# Allegro board Learn.brd (continued)
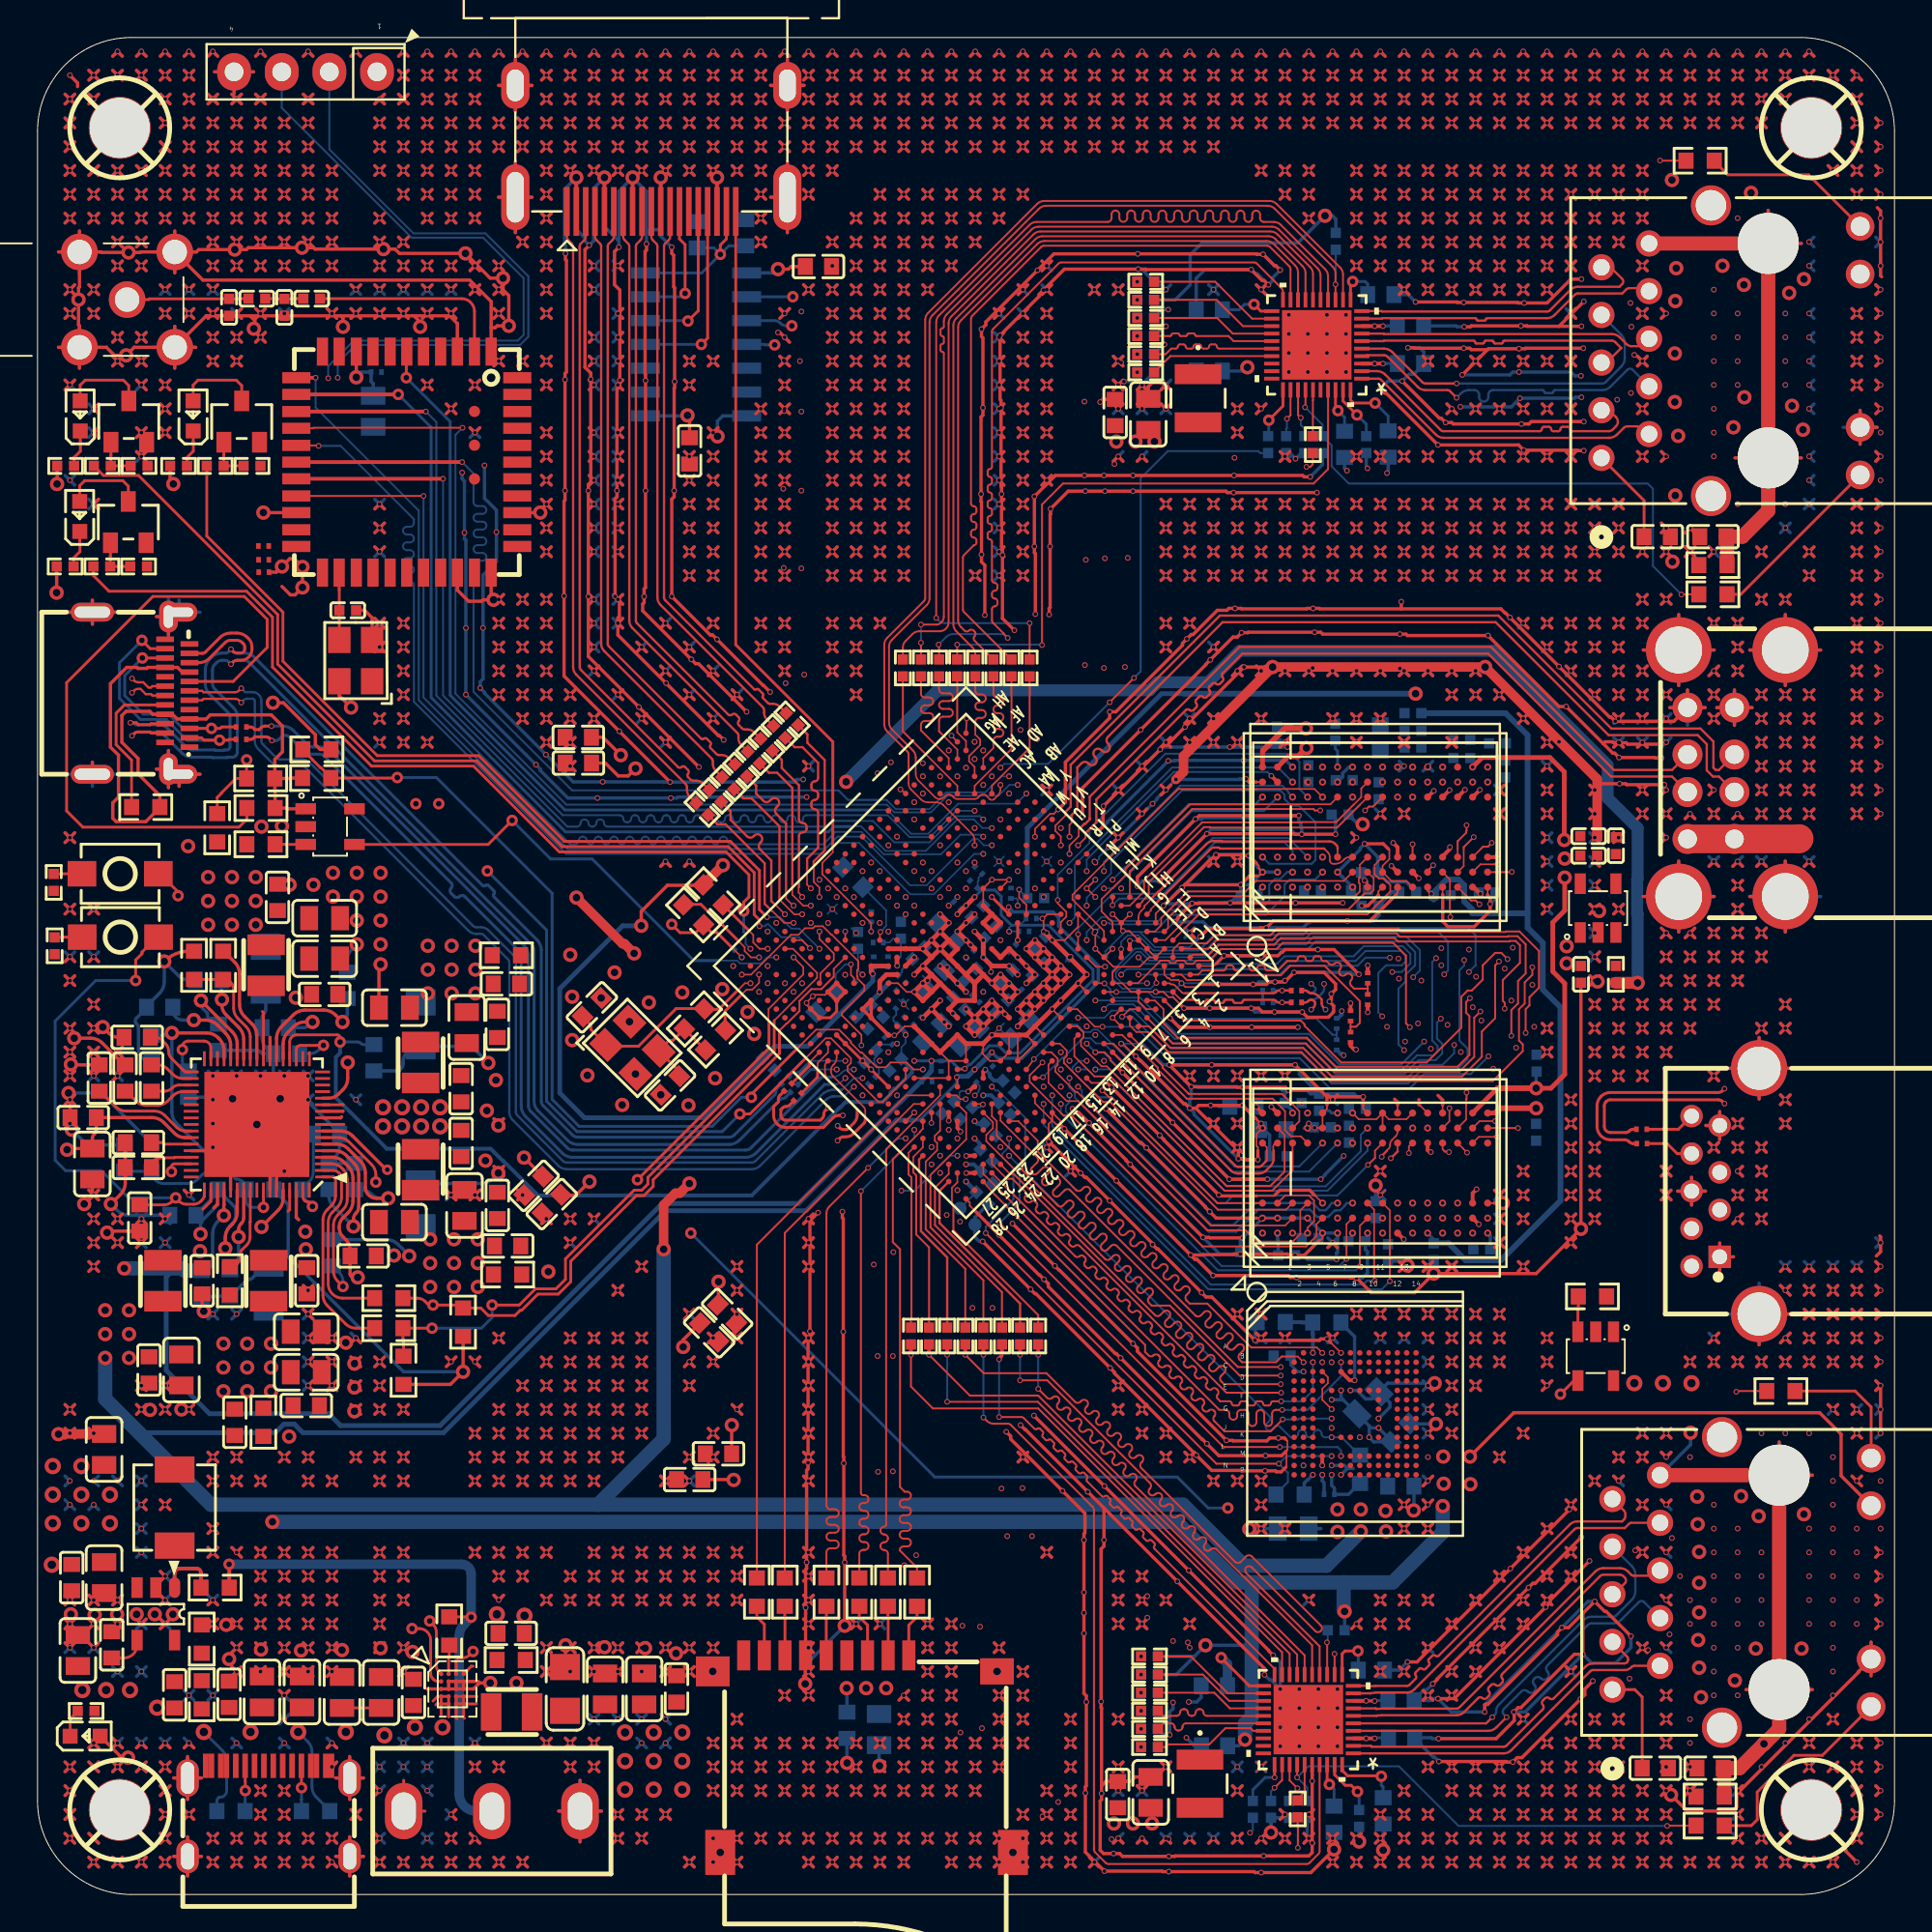
[diagram p0: board, top side]
## Nets (continued)
VCC_3V3: C55.1 C168.2 C169.2 C171.1 C174.1 C178.1 C186.1 C187.1 C191.1 C203.1 C207.1 C213.1 C215.1 C221.1 C222.1 C231.1 R74.2 R76.2 R80.2 R104.2 R110.2 U4.55 U5.J21 U5.L22 U5.M23 U5.P10 U5.V10 U5.V11 U5.V12 U9.E6 U9.F5 U9.J10 U9.K9 U11.28 U11.29 U12.13 U13.28 U13.29 U14.13 U15.9 U16.1 U16.8 Y2.4(VDD)
VCC_3V3_SYS: C6.2 C7.2 C8.2 C9.1 C19.2 C22.1 C23.2 C26.1 C39.2 C40.1 C41.2 C54.1 C58.1 C60.2 C61.2 C116.1 J2.1 L1.2 R5.2 R22.1 R137.1 R138.1 R143.1 U4.4 U4.10 U4.11 U4.22 U4.24 U4.30 U4.45 U4.54 U4.57 U4.66 U8.1
VCC_CPU: C13.1 C14.1 C15.1 C16.1 C17.1 C71.1 C72.1 C73.1 C74.1 C75.1 L2.2 R7.1 U5.J15 U5.K15 U5.K16 U5.K17 U5.K18 U5.L15 U5.L16 U5.L17 U5.L18 U5.M17
VCC_DDR4: C49.1 C50.1 C51.1 C52.1 C92.1 C93.1 C94.1 C95.1 C96.1 C97.1 C101.1 C102.1 C103.1 C104.1 C105.1 C106.1 C107.1 C108.1 C109.1 C110.1 C111.1 C112.1 C113.1 C114.1 C115.1 C124.1 C125.1 C126.1 C127.1 C128.1 C129.1 C130.1 C131.1 C132.1 C133.1 C134.1 C135.1 C136.1 C137.1 C138.1 L6.2 R16.1 U4.26 U5.H9 U5.H11 U5.H12 U5.H14 U5.H15 U5.J9 U5.J11 U5.J12 U5.J14 U5.K10 U5.L9 U5.L10 U5.M9 U5.M10 U6.A1 U6.A9 U6.B3 U6.B9 U6.C1 U6.D1 U6.D9 U6.F2 U6.F8 U6.G1 U6.G7 U6.G9 U6.J1 U6.J2 U6.J8 U6.J9 U6.L1 U6.L9 U6.R1 U6.T9 U7.A1 U7.A9 U7.B3 U7.B9 U7.C1 U7.D1 U7.D9 U7.F2 U7.F8 U7.G1 U7.G7 U7.G9 U7.J1 U7.J2 U7.J8 U7.J9 U7.L1 U7.L9 U7.R1 U7.T9
VCC_GPU: C43.1 C45.1 C46.1 C47.1 C48.1 C48.2 C83.1 C84.1 C85.1 C86.1 C87.1 L5.1 R15.1 R15.2 U4.8 U5.R13 U5.T13 U5.U11 U5.U12 U5.U13
VCC_LOGIC: C21.1 C27.1 C28.1 C29.1 C30.1 C30.2 C76.1 C77.1 C78.1 C79.1 C80.1 C81.1 C82.1 L3.1 R11.1 R11.2 U4.13 U5.L12 U5.M12 U5.N13 U5.N16 U5.P13 U5.P16 U5.R12 U5.R16 U5.T12 U5.T16
VCC_NPU: C31.1 C31.2 C32.1 C33.1 C34.1 C35.1 C88.1 C89.1 C90.1 C91.1 L4.2 R12.1 R12.2 U4.64 U5.M19 U5.N19 U5.P18 U5.P19 U5.P20
VCC_USB_HOST: U19.1 U19.5(VCC2) U20.1(VOUT) U21.1(VBUS)
VCC_USB_OTG: R129.2 R130.2 R133.2 R135.2 U17.A4 U17.A9 U17.B4 U17.B9(VBUS4) U18.1(VOUT)
VCCA_1V8: C38.1 C151.1 C152.1 C219.1 C220.1 U4.3 U5.N10 U5.P9 U5.P23
VCCIO_ACODEC: C25.1 U4.28
VCCIO_SD: C36.1 U4.29
VDD_CPU_COM: C17.2 R7.2 U3.A4 U5.M15
VIN_5V: C1.2 C2.2 C3.2 C4.1 C5.1 C10.1 C11.1 C12.1 C62.1 C214.1 C216.1 J1.18 R1.2 R2.2 R3.1 SW1.1 U1.A4 U1.A9 U1.B4 U1.B9(VBUS4) U2.4 U3.D1 U3.D2 U3.E1 U3.E2 U4.33(VCC_SPK_HP) U16.14(VCCB) U18.5 U20.5
DDR4_A0: U5.B6 U6.P3 U7.P3
DDR4_A1: U5.F5 U6.P7 U7.P7
DDR4_A2: U5.B1 U6.R3 U7.R3
DDR4_A3: U5.F4 U6.N7 U7.N7
DDR4_A4: U5.D9 U6.N3 U7.N3
DDR4_A5: U5.B7 U6.P8 U7.P8
DDR4_A6: U5.A7 U6.P2 U7.P2
DDR4_A7: U5.A8 U6.R8 U7.R8
DDR4_A8: U5.C1 U6.R2 U7.R2
DDR4_A9: U5.A5 U6.R7 U7.R7
DDR4_A10: U5.D6 U6.M3 U7.M3
DDR4_A11: U5.C2 U6.T2 U7.T2
DDR4_A12: U5.C4 U6.M7 U7.M7
DDR4_A13: U5.B8 U6.T8 U7.T8
DDR4_A14_WEN: U5.C5 U6.L2 U7.L2
DDR4_A15_CASN: U5.E4 U6.M8 U7.M8
DDR4_A16_RASN: U5.D5 U6.L8 U7.L8
DDR4_ACTN: U5.E6 U6.L3 U7.L3
DDR4_BA0: U5.E11 U6.N2 U7.N2
DDR4_BA1: U5.E9 U6.N8 U7.N8
DDR4_BG0: U5.F8 U6.M2 U7.M2
DDR4_CKE: R33.2 R34.1 U5.B3
DDR4_CKE_A: R33.1 U6.K2
DDR4_CKE_B: R34.2 U7.K2
DDR4_CLKN: R28.1 R31.2 R32.1 U5.A4
DDR4_CLKN_A: R31.1 U6.K8
DDR4_CLKN_B: R32.2 U7.K8
DDR4_CLKP: R27.1 R29.2 R30.1 U5.B4
DDR4_CLKP_A: R29.1 U6.K7
DDR4_CLKP_B: R30.2 U7.K7
DDR4_CS0N: R35.2 R36.1 U5.A2
DDR4_CS0N_A: R35.1 U6.L7
DDR4_CS0N_B: R36.2 U7.L7
DDR4_DML_A: U5.H5 U6.E7
DDR4_DML_B: U5.E17 U7.E7
DDR4_DMU_A: U5.J4 U6.E2
DDR4_DMU_B: U5.D14 U7.E2
DDR4_DQL0_A: U5.F2 U6.G2
DDR4_DQL0_B: U5.A16 U7.G2
DDR4_DQL1_A: U5.H4 U6.F7
DDR4_DQL1_B: U5.D17 U7.F7
DDR4_DQL2_A: U5.E1 U6.H3
DDR4_DQL2_B: U5.B17 U7.H3
DDR4_DQL3_A: U5.H1 U6.H7
DDR4_DQL3_B: U5.B14 U7.H7
DDR4_DQL4_A: U5.E2 U6.H2
DDR4_DQL4_B: U5.A17 U7.H2
DDR4_DQL5_A: U5.J2 U6.H8
DDR4_DQL5_B: U5.A13 U7.H8
DDR4_DQL6_A: U5.D1 U6.J3
DDR4_DQL6_B: U5.B18 U7.J3
DDR4_DQL7_A: U5.J1 U6.J7
DDR4_DQL7_B: U5.B13 U7.J7
DDR4_DQSL_N_A: U5.G2 U6.F3
DDR4_DQSL_N_B: U5.A15 U7.F3
DDR4_DQSL_P_A: U5.G1 U6.G3
DDR4_DQSL_P_B: U5.B15 U7.G3
DDR4_DQSU_N_A: U5.L1 U6.A7
DDR4_DQSU_N_B: U5.B11 U7.A7
DDR4_DQSU_P_A: U5.L2 U6.B7
DDR4_DQSU_P_B: U5.A11 U7.B7
DDR4_DQU0_A: U5.L4 U6.A3
DDR4_DQU0_B: U5.A12 U7.A3
DDR4_DQU1_A: U5.N2 U6.B8
DDR4_DQU1_B: U5.E12 U7.B8
DDR4_DQU2_A: U5.K2 U6.C3
DDR4_DQU2_B: U5.E14 U7.C3
DDR4_DQU3_A: U5.M1 U6.C7
DDR4_DQU3_B: U5.D12 U7.C7
DDR4_DQU4_A: U5.J6 U6.C2
DDR4_DQU4_B: U5.E15 U7.C2
DDR4_DQU5_A: U5.L6 U6.C8
DDR4_DQU5_B: U5.A9 U7.C8
DDR4_DQU6_A: U5.J7 U6.D3
DDR4_DQU6_B: U5.D15 U7.D3
DDR4_DQU7_A: U5.L7 U6.D7
DDR4_DQU7_B: U5.B10 U7.D7
DDR4_ODT0: R37.2 R38.1 U5.E8
DDR4_ODT0_A: R37.1 U6.K3
DDR4_ODT0_B: R38.2 U7.K3
DDR4_RESETN: U5.F11 U6.P1 U7.P1
DDRPHY_VREFOUT: C97.2 C98.1 R41.2 U5.P8
EMMC_CLK: U5.A23 U9.M6
EMMC_CMD: R52.2 U5.B22 U9.M5
EMMC_D0: R50.2 R51.2 U5.A24 U9.A3
EMMC_D1: U5.C21 U9.A4
EMMC_D2: U5.B24 U9.A5
EMMC_D3: U5.D21 U9.B2
EMMC_D4: U5.A25 U9.B3
EMMC_D5: U5.E21 U9.B4
EMMC_D6: U5.E22 U9.B5
EMMC_D7: U5.B25 U9.B6
EMMC_DS: U5.A26 U9.H5
EMMC_RES: R53.2 U5.F20 U9.K5
ETH0_LED0: R81.1 U11.32
ETH0_LED1: R82.1 R89.1 U11.33
ETH0_LED2: R83.1 R88.1 U11.34
ETH0_MCLKIN125M: R84.2 U5.F25
ETH0_MCLKIN125M_SOC: R84.1 U11.35
ETH0_MDI0+: U11.1 U12.P2
ETH0_MDI0-: U11.2 U12.P3
ETH0_MDI1+: U11.4 U12.P4
ETH0_MDI1-: U11.5 U12.P7
ETH0_MDI2+: U11.6 U12.P5
ETH0_MDI2-: U11.7 U12.P6
ETH0_MDI3+: U11.9 U12.P8
ETH0_MDI3-: U11.10 U12.P9
ETH0_REFCLKO25M: R66.1 U11.37(XTAL_OUT/EXT_CLK)
ETH0_REFCLKO25M_SOC: R66.2 U5.G23
ETH0_VCC_1V: C175.1 C176.1 C177.1 C179.1 C180.1 C181.1 C182.1 C183.1 L8.2 U11.3 U11.8 U11.11 U11.21 U11.38 U11.40
ETH1_LED0: R111.1 U13.32
ETH1_LED1: R112.1 R119.1 U13.33
ETH1_LED2: R113.1 R117.1 U13.34
ETH1_MCLKIN125M: R114.2 U5.AD2
ETH1_MCLKIN125M_SOC: R114.1 U13.35
ETH1_MDI0+: U13.1 U14.P2
ETH1_MDI0-: U13.2 U14.P3
ETH1_MDI1+: U13.4 U14.P4
ETH1_MDI1-: U13.5 U14.P7
ETH1_MDI2+: U13.6 U14.P5
ETH1_MDI2-: U13.7 U14.P6
ETH1_MDI3+: U13.9 U14.P8
ETH1_MDI3-: U13.10 U14.P9
ETH1_REFCLKO25M: R93.1 U13.37(XTAL_OUT/EXT_CLK)
ETH1_REFCLKO25M_SOC: R93.2 U5.AG2
ETH1_VCC_1V: C188.1 C189.1 C190.1 C192.1 C193.1 C194.1 C195.1 C196.1 L9.2 U13.3 U13.8 U13.11 U13.21 U13.38 U13.40
GMAC0_INT/PMEB: R86.2 U5.D26
GMAC0_MDC: R67.1 U11.14
GMAC0_MDIO: R80.1 U5.H23 U11.13
GMAC0_RSTN: U5.E25 U11.12
GMAC0_RXCLK: R68.2 R69.1 U5.B28
GMAC0_RXD0: R70.1 R71.2 U5.F27
GMAC0_RXD1: R72.1 R73.2 U5.H25
GMAC0_RXD2: R74.1 R75.2 U5.E27
GMAC0_RXD3: R76.1 R77.2 U5.E28
GMAC0_RXDV: R78.1 R79.2 U5.F24
GMAC0_SOC_MDC: R67.2 U5.H24
GMAC0_SOC_RXCLK: R68.1 U11.27
GMAC0_SOC_RXD0: R71.1 U11.25
GMAC0_SOC_RXD1: R73.1 U11.24
GMAC0_SOC_RXD2: R75.1 U11.23
GMAC0_SOC_RXD3: R77.1 U11.22
GMAC0_SOC_RXDV: R79.1 U11.26
GMAC0_SOC_TXCLK: R62.2 U5.D27
GMAC0_SOC_TXD0: R63.2 U5.F28
GMAC0_SOC_TXD1: R64.2 U5.G27
GMAC0_SOC_TXD2: R60.2 U5.C27
GMAC0_SOC_TXD3: R61.2 U5.C28
GMAC0_SOC_TXEN: R65.2 U5.G28
GMAC0_TXCEN: R65.1 U11.19
GMAC0_TXCLK: R62.1 U11.20
GMAC0_TXD0: R63.1 U11.18
GMAC0_TXD1: R64.1 U11.17
GMAC0_TXD2: R60.1 U11.16
GMAC0_TXD3: R61.1 U11.15
GMAC1_INT/PMEB: R116.2 U5.AD1
GMAC1_MDC: R97.1 U13.14
GMAC1_MDIO: R110.1 U5.AC2 U13.13
GMAC1_RSTN: U5.AA7 U13.12
GMAC1_RXCLK: R98.1 R99.2 U5.AH2
GMAC1_RXD0: R100.1 R101.2 U5.AG1
GMAC1_RXD1: R102.1 R103.2 U5.AF2
GMAC1_RXD2: R104.1 R105.2 U5.AF4
GMAC1_RXD3: R106.1 R107.2 U5.AH3
GMAC1_RXDV: R108.1 R109.2 U5.AF1
GMAC1_SOC_MDC: R97.2 U5.AC3
GMAC1_SOC_RXCLK: R99.1 U13.27
GMAC1_SOC_RXD0: R101.1 U13.25
GMAC1_SOC_RXD1: R103.1 U13.24
GMAC1_SOC_RXD2: R105.1 U13.23
GMAC1_SOC_RXD3: R107.1 U13.22
GMAC1_SOC_RXDV: R109.1 U13.26
GMAC1_SOC_TXCLK: R92.2 U5.AG3
GMAC1_SOC_TXD0: R94.2 U5.AE2
GMAC1_SOC_TXD1: R95.2 U5.AE3
GMAC1_SOC_TXD2: R90.2 U5.AE5
GMAC1_SOC_TXD3: R91.2 U5.AG4
GMAC1_SOC_TXEN: R96.2 U5.AD4
GMAC1_TXCEN: R96.1 U13.19
GMAC1_TXCLK: R92.1 U13.20
GMAC1_TXD0: R94.1 U13.18
GMAC1_TXD1: R95.1 U13.17
GMAC1_TXD2: R90.1 U13.16
GMAC1_TXD3: R91.1 U13.15
HDMI_CEC: U5.AH6 U16.2
HDMI_CEC_TYPE: J1.13 U16.13
HDMI_HPDIN: C208.1 J1.19 U5.AB18
HDMI_SCL: U5.AG8 U16.3
HDMI_SCL_TYPE: J1.15 U16.12
HDMI_SDA: U5.AG7 U16.4
HDMI_SDA_TYPE: J1.16 U16.11
HDMI_SOC_TX0N: R125.2 U5.AH20
HDMI_SOC_TX0P: R124.2 U5.AG20
HDMI_SOC_TX1N: R123.2 U5.AH21
HDMI_SOC_TX1P: R122.2 U5.AG21
HDMI_SOC_TX2N: R121.2 U5.AH22
HDMI_SOC_TX2P: R120.2 U5.AG22
HDMI_SOC_TXCLKN: R127.2 U5.AG19
HDMI_SOC_TXCLKP: R126.2 U5.AH19
HDMI_TX0N: J1.9 R125.1
HDMI_TX0P: J1.7 R124.1
HDMI_TX1N: J1.6 R123.1
HDMI_TX1P: J1.4 R122.1
HDMI_TX2N: J1.3 R121.1
HDMI_TX2P: J1.1 R120.1
HDMI_TX_AVDD_0V9: C18.1 C209.1 C210.1 U4.23 U5.V17 U5.V18
HDMI_TX_AVDD_1V8: C44.1 C211.1 C212.1 U4.6 U5.W18
HDMI_TXCLKN: J1.12 R127.1
HDMI_TXCLKP: J1.10 R126.1
HOST_WAKE_BT: U5.AA1 U15.6
I2C0_SCL_PMIC: R21.1 R48.1 U3.A3 U5.AF24
I2C0_SDA_PMIC: R20.1 R49.1 U3.B1 U5.AB21
PMIC_EXT: U4.7 U5.AA22
PMIC_SLEEP_H: U3.A1(VSEL) U4.49 U5.AG28
PMU_0V9: C20.1 C143.1 C144.1 C153.1 C154.1 U4.20 U5.V19 U5.V21
PMUPL_1V8: C42.1 C145.1 C146.1 U4.5 U5.Y21
POWER_EN: R4.2 R8.2 SW1.2
PWRON_PMIC: C70.1 SW3.2 U4.52
RECOVERY: C155.1 TP1.1(TP) U5.B27
RESET: C69.1 R25.2 U4.67
RESETR: C141.1 R45.2 SW2.2 U5.AH27
SDMMC_CLK: R56.1 U5.H28
SDMMC_CMD: R57.1 U5.H27
SDMMC_D0: R55.1 U5.J25
SDMMC_D1: R54.1 U5.J24
SDMMC_D2: R59.1 U5.H26
SDMMC_D3: R58.1 U5.J23
TSADC_SHUT: R45.1 U5.AG26
UART2_RX_DEBUG: J2.2(RX) U5.AC20
UART2_TX_DEBUG: J2.3 U5.AH24
USB2_HOST2_DM: U5.R1 U19.2
USB2_HOST2_DP: U5.R2 U19.3
USB2_HOST3_DM: U5.T1 U19.6
USB2_HOST3_DP: U5.T2 U19.7
USB3_HOST1_DM: U5.P25 U21.2
USB3_HOST1_DP: U5.P24 U21.3
USB3_HOST1_SSRXN: C230.1 U5.U27
USB3_HOST1_SSRXP: C229.1 U5.U28
USB3_HOST1_SSTXN: C226.2 U21.8
USB3_HOST1_SSTXP: C225.2 U21.9
USB3_OTG0_DM: U5.P28 U17.A7 U17.B7
USB3_OTG0_DP: U5.P27 U17.A6 U17.B6
USB3_OTG0_ID: R133.1 R134.1 U5.L23
USB3_OTG0_SSRXN: C227.1 U5.R27
USB3_OTG0_SSRXP: C228.1 U5.R28
USB3_OTG0_SSTXN: C224.2 U17.A3 U17.B3
USB3_OTG0_SSTXP: C223.2 U17.A2 U17.B2
USB3_OTG0_VBUSDET: R135.1 R136.1 U5.M24
USB_HOST_PWREN: U5.AE24 U20.4
USB_OTG_PWREN: U5.AF25 U18.4
VREF_DDR4_CA: C99.1 C100.1 R41.1 U6.M1 U7.M1
WIFI_REG_ON: U5.Y6 U15.12
WIFI_SDIO_CLK: U5.AC1 U15.17
WIFI_SDIO_CMD: U5.Y7 U15.16
WIFI_SDIO_D0: U5.AC5 U15.18
WIFI_SDIO_D1: U5.AA6 U15.19
WIFI_SDIO_D2: U5.AB5 U15.14
WIFI_SDIO_D3: U5.AB1 U15.15
WIFI_WAKE_HOST: U5.AA5 U15.13
WORKING_CPU: R139.1 U5.AH26
WORKING_GPU: R140.1 U5.AD22
WORKING_NPU: R144.1 U5.AF23
N00798: R1.1 U1.B5
N00802: R2.1 U1.A5
N02573: C9.2 R5.1 R6.2 U2.5
N03782: L2.1 U3.D3 U3.D4 U3.E3 U3.E4
N04140: R8.1 U3.A2
N13913: R16.2 R18.1 U4.27
N021410: L1.1 U2.3(LX)
N022560: R4.1 U2.1
N23858: C68.1 R22.2 R24.1 U4.61
N24218: R20.2 U4.2
N24280: R21.2 U4.1
N25186: C59.1 U4.46
N26850: C65.1 U4.35
N26854: C64.1 U4.38
N26858: C63.2 U4.37
N26862: C63.1 U4.36
N27345: C66.1 U4.48
N27432: C67.1 U4.44
N60766: R26.1 U5.H7
N097171: L3.2 U4.12
N097174: L5.2 U4.9
N097177: L6.1 U4.25
N0971711: L4.1 U4.65
N0985013: L7.1 U4.53
N14897562: R27.2 R28.2
N14898394: R39.1 U7.F9(ZQ)
N14898490: R40.1 U6.F9(ZQ)
N14901346: R42.2 U8.3
N14901358: C123.1 U8.4
N14927709: C140.2 R43.2 U5.AF28 Y1.1
N14927721: C139.1 R43.1 R44.2 Y1.3(4)
N14931079: R46.2 U5.Y22
N14931413: R47.2 U5.AG25
N14951066: C170.2 U9.C2
N14952714: R54.2 U10.8
N14952718: R55.2 U10.7
N14952722: R56.2 U10.5
N14952726: R57.2 U10.3
N14952730: R58.2 U10.2
N14952734: R59.2 U10.1
N14971442: C185.1 U12.P1(TCT)
N14971633: R88.2 U12.11
N14971723: R89.2 U12.14
N14977961: R117.2 U14.11
N14978061: C198.1 U14.P1(TCT)
N14978065: R119.2 U14.14
N14995405: C201.1 U15.2
N14995472: C201.2 C202.1 C204.2
N14995561: C202.2 C205.2 U22.5(IN)
N15009638: R128.2 U5.AA18
N15020833: C158.1 U5.E23
N15020845: C157.1 U5.D24
N15020857: C156.1 U5.C26
N15020881: C159.1 U5.G21
N15020885: C160.1 U5.F22
N15020889: C161.1 U5.G20
N15021099: C162.1 U5.F21
N15051826: C228.2 U17.A11 U17.B11
N15051837: C227.2 U17.A10 U17.B10
N15051917: R129.1 U17.A5
N15051943: R130.1 U17.B5
N15053433: C229.2 U21.6
N15053437: C230.2 U21.5
N15053593: C223.1 U5.T28
N15053597: C224.1 U5.T27
N15053731: C225.1 U5.V28
N15053739: C226.1 U5.V27
N15070968: LED3.1 R138.2
N15070994: LED3.2(CATHODE) Q2.3
N15071056: Q2.1 R140.2 R142.1
N15071279: LED2.1 R137.2
N15071305: LED2.2(CATHODE) Q1.3
N15071367: Q1.1 R139.2 R141.1
N15071998: LED4.1 R143.2
N15072024: LED4.2(CATHODE) Q3.3
N15072086: Q3.1 R144.2 R145.1
N15110259: LED1.1 R3.2
N15124722: R19.1 U4.59
N15247966: R115.1 U13.39
N15247968: R116.1 U13.31
N15248584: R85.1 U11.39
N15248588: R86.1 U11.31
N15320931: C232.1 U15.24 Y2.3
N149276080: R44.1 U5.AF27
N150501720: R131.1 U18.3
N150505730: R132.1 U20.3
N151080080: R147.2 SW3.1
N151082521: R146.2 SW2.1
N1496612534: L8.1 U11.30
N1497688334: L9.1 U13.30

Pads without a net: J1 14; M1 1; M2 1; M3 1; M4 1; U1 A6 A7 A8 B6 B7 B8; U4 14 15 16 17 18 19 32 34 39 40 41 42 43 50 51 60 68; U5 A19 A20 A21 A22 A27 AA2 AA3 AA11 AA20 AA25 AA27 AA28 AB8 AB9 AB20 AB23 AB27 AB28 AC4 AC7 AC8 AC14 AC17 AC21 AC22 AC24 AC27 AC28 AD6 AD7 AD8 AD9 AD11 AD12 AD14 AD15 AD17 AD18 AD20 AD21 AD23 AD25 AD27 AD28 AE1 AE8 AE9 AE11 AE12 AE15 AE18 AE23 AE26 AF5 AF6 AF8 AG6 AG9 AG10 AG11 AG12 AG13 AG14 AG15 AG16 AG17 AG23 AG24 AG27 AH4 AH5 AH7 AH9 AH10 AH11 AH12 AH13 AH14 AH15 AH16 AH17 AH25 B2 B19 B20 B21 C20 C23 C24 D8 D18 D20 D23 E18 E20 E26 F7 F18 F26 H17 J28 K27 K28 L25 L27 L28 M4 M5 M7 M20 M22 M25 M27 M28 N27 P1 P2 P4 P5 P7 R4 R5 R7 R20 R21 R22 R24 R25 U2 U3 U4 U5 U19 U20 U21 U22 U24 U25 V1 V2 V4 V5 V6 V7 V24 V25 W1 W2 W14 W15 W16 W27 W28 Y1 Y2 Y3 Y4 Y5 Y14 Y15 Y17 Y25 Y27 Y28; U6 P9 T7; U7 P9 T7; U9 A2 A7 A8 A9 A10 A11 A12 A13 A14 B1 B7 B8 B9 B10 B11 B12 B13 B14 C1 C3 C7 C8 C9 C10 C11 C12 C13 C14 D1 D2 D3 D4 D12 D13 D14 E1 E2 E3 E5 E8 E9 E10 E12 E13 E14 F1 F2 F3 F10 F12 F13 F14 G1 G2 G3 G10 G12 G13 G14 H1 H2 H3 H12 H13 H14 J1 J2 J3 J12 J13 J14 K1 K2 K3 K6 K7 K10 K12 K13 K14 L1 L2 L3 L12 L13 L14 M1 M2 M3 M7 M8 M9 M10 M11 M12 M13 M14 N1 N3 N6 N7 N8 N9 N10 N11 N12 N13 N14 P1 P2 P7 P8 P9 P10 P11 P12 P13 P14; U10 9; U15 4 5 7 8 10 11 21 23 25 26 27 28 29 30 32 34 35 37 38 39 40 41 42 43 44 45 46 47; U16 5 6 9 10; U17 A8 B8; Y2 1

## Via types
v1: diameter 0.3, hole 0.2, TOP to BOTTOM, 3126 vias
v2: diameter 0.61, hole 0.305, TOP to BOTTOM, 59 vias
v3: diameter 0.762, hole 0.406, TOP to BOTTOM, 291 vias
v4: diameter 0.864, hole 0.457, TOP to BOTTOM, 42 vias
v5: diameter 0.559, hole 0.254, TOP to BOTTOM, 1 via

## Routing (per net, layer and track width the routed paths; a pad name or vN(x,y) marks a point on that pad's centre or on a via; arc(x,y) is an arc through that point)
AVDD_0V9: length 59.2
  TOP w0.152: U4.21 13.44,45.45 arc(13.55,45.71) 13.82,45.82 15.98,45.82 arc(16.08,45.78) 16.13,45.67 v2(16.13,45.44)
  SIG w0.152: v1(51.33,50.87) 51.17,51.03 51.03,51.03 ; v1(46.27,45.81) 46.27,46.33 48.64,48.69 48.69,48.69 51.03,51.03 ; 51.03,51.03 52.25,52.25 v1(52.25,52.7)
  BOTTOM w0.089: C217.1 45.77,47.2 45.77,46.89 45.62,46.74 45.62,46.57 45.81,46.39 ; v1(52.25,52.7) 52.25,53.02 52.17,53.09 C218.1 ; C147.1 46.05,45.16 46.27,45.39 v1(46.27,45.81)
  BOTTOM w0.152: v2(16.13,45.44) 17.08,45.44 arc(17.16,45.43) 17.22,45.38 17.24,45.36 arc(17.31,45.32) 17.39,45.3 C24.1
  BOTTOM w0.203: v2(16.13,45.44) 16.13,44.86 15.9,44.63 15.9,42.47 18.62,39.75 24.16,39.75 24.82,39.09 24.84,39.09 26.67,37.26 38.07,37.26 42.75,41.94 42.77,41.94 43.08,42.24 45.06,42.24 45.47,42.65 45.47,42.75 45.67,42.95 45.75,42.95 46.61,43.81 46.61,43.98 C147.1
  BOTTOM w0.254: 45.81,46.39 46.27,45.92 v1(46.27,45.81)
GND_ETH0: length 77.6
  TOP w0.178: 94.6,10.92 91.07,10.92 ; 92.84,24.12 92.84,22.35 94.6,22.35
  TOP w0.762: U12.P10 92.84,22.35 92.84,8.83 92.04,8.03 v3(92.02,8.03) 90.73,6.73 C184.1 89.91,6.68 R87.1
  GND1 w0.178: 91.07,10.92 92.84,10.92 ; 92.84,10.92 92.84,9.16 ; 92.84,10.92 94.6,10.92 ; 92.84,10.92 92.84,12.69 ; 92.84,22.35 92.84,24.12 ; 92.84,22.35 92.84,20.59 ; 92.84,22.35 91.07,22.35 ; 92.84,22.35 94.6,22.35
  GND2 w0.178: 92.84,22.35 94.6,22.35 ; 92.84,22.35 92.84,20.59 ; 92.84,22.35 91.07,22.35 ; 92.84,22.35 92.84,24.12 ; 92.84,9.16 92.84,10.92 ; 92.84,10.92 94.6,10.92 ; 92.84,10.92 92.84,12.69 ; 92.84,10.92 91.07,10.92
  BOTTOM w0.178: 91.07,22.35 92.84,22.35 ; 92.84,22.35 92.84,20.59 ; 92.84,22.35 94.6,22.35 ; 92.84,22.35 92.84,24.12 ; v3(88.11,24.61) 88.11,23.98 U12.P10 ; 92.84,9.16 92.84,10.92 ; 92.84,10.92 94.6,10.92 ; 92.84,10.92 92.84,12.69 ; 92.84,10.92 91.07,10.92
  vias: v3(88.47,21.21) v3(88.49,19.74) v3(88.52,13.56) v3(88.57,18.26) v3(88.57,16.61) v3(88.57,15.04) v3(88.57,12.09) v3(88.67,10.52) v3(90.47,11.4) v3(90.81,21.23) v3(91.59,13.11) v3(91.74,20.17) v3(94.03,13.11) v3(94.16,20.27)
GND_ETH1: length 74.4
  TOP w0.178: 90.49,76.58 94.02,76.58 ; 94.02,88.01 92.25,88.01 92.25,89.77
  TOP w0.762: U14.P10 92.25,88.01 92.25,73.75 90.88,72.38 C197.1 90.06,72.32 R118.1
  GND1 w0.178: 92.25,86.24 92.25,88.01 ; 92.25,88.01 92.25,89.77 ; 92.25,88.01 94.02,88.01 ; 92.25,88.01 90.49,88.01 ; 92.25,76.58 94.02,76.58 ; 92.25,76.58 92.25,78.34 ; 92.25,76.58 90.49,76.58 ; 92.25,76.58 92.25,74.81
  GND2 w0.178: 90.49,88.01 92.25,88.01 ; 92.25,88.01 92.25,86.24 ; 92.25,88.01 94.02,88.01 ; 92.25,88.01 92.25,89.77 ; 90.49,76.58 92.25,76.58 ; 92.25,76.58 92.25,78.34 ; 92.25,76.58 94.02,76.58 ; 92.25,76.58 92.25,74.81
  BOTTOM w0.178: 92.25,76.58 92.25,78.34 ; 92.25,76.58 92.25,74.81 ; 92.25,76.58 90.49,76.58 ; 92.25,76.58 94.02,76.58 ; 92.25,86.24 92.25,88.01 ; 92.25,88.01 92.25,89.77 ; 92.25,88.01 90.49,88.01 ; 92.25,88.01 94.02,88.01
  vias: v3(87.12,91.39) v3(87.3,84.94) v3(87.27,82.14) v3(87.27,79.55) v3(87.3,74.57) v3(87.35,86.69) v3(87.45,77.75) v3(89.81,86.82) v3(90.4,78.21) v3(90.96,85.8) v3(90.98,79.81) v3(91.34,90.7) v3(93.37,85.37) v3(93.52,79.35) v3(94.11,78.08) v3(94.16,86.11)
GND_POWER: length 16384.1
  TOP w0.089: U5.L24 U5.J22 48.57,44.44 ; 42.82,47.88 42.86,47.91 ; 74.9,42.09 U7.N9 ; 71.83,37.54 v1(71.57,37.28) 71.32,37.54 ; U5.AB24 41.73,48.63 41.73,49.1 42.44,49.81 42.44,50.16 41.68,50.93 v1(41.68,51.33) ; 57.61,49.45 57.34,49.45 U5.G6 ; 57.61,49.45 57.31,49.15 U5.E7 57.82,48.57 58.28,48.11 U5.C6 ; 57.61,49.45 58.75,49.45 59.25,49.95 U5.D3 ; U5.G15 52.97,45.56 U5.F15 U5.F17 52.25,45.74 52.32,45.81 ; 57.76,46.27 v1(57.31,46.73) 57.56,46.99 57.76,47.19 ; 51.66,45.81 51.79,45.69 U5.G17 U5.G18 50.76,44.44 50.37,44.83 50.37,45.03 50.41,45.07 U5.J18 ; 48.57,44.44 U5.L21 ; 48.57,44.44 U5.J20 U5.K19 ; 64.97,37.24 65.91,37.24 65.96,37.29 ; U5.AA26 41,47.42 v1(41,47.52) 41,47.55 v1(41.33,47.88) 41.4,47.96 41.98,47.96 U5.AA24 ; v1(70.74,54.05) 70.79,54 70.87,54 70.87,53.77 U6.H1 ; 57.76,51.79 57.76,51.48 57.86,51.38 v1(57.86,51.36) 58.2,51.36 U5.F3 58.88,50.67 58.89,50.67 U5.E3 59.34,50.21 U5.D3 ; 57.76,51.79 57.51,52.05 v1(57.31,52.25) ; 57.76,51.79 v1(58.22,52.25) ; U5.D3 U5.D2 ; U6.A8 64.97,59.3 ; 59.71,48.11 60.01,48.11 60.3,47.83 60.53,47.83 60.91,47.44 ; 59.71,48.11 v1(59.6,48.11) U5.C6 ; 59.71,48.11 59.77,48.06 ; 64.97,54.97 65.1,54.84 65.1,54.7 v1(65.3,54.5) 65.1,54.3 64.97,54.3 ; U5.C6 58.68,47.61 59.11,47.19 U5.A6 ; U6.K1 72.5,53.37 72.41,53.29 ; 72.5,42.09 U7.K9 ; 57.56,44.09 57.2,44.45 57.2,44.58 56.88,44.9 v1(56.39,44.9) ; v1(65.22,6.8) 65.48,6.55 ; v1(65.22,6.8) 65.48,7.06 ; v1(65.22,6.8) 64.97,6.55 ; v1(65.22,6.8) 64.97,7.06 ; U7.E3 68.07,37.29 ; U5.A1 62.7,49.49 62.83,49.62 ; v1(56.39,54.09) 56.13,53.83 56.13,53.83 v1(55.93,53.63) v1(56.39,53.17) ; U5.N18 v1(48.79,46.96) ; U5.G6 v1(57.31,50.41) ; U5.G6 56.59,50.21 v1(56.39,50.41) v1(56.39,51.33) 55.47,52.25 55.47,51.58 54.76,50.87 v1(54.09,50.87) ; U9.C4 68.78,27.57 68.78,27.25 68.48,26.95 68.48,26.37 v1(68.98,25.87) ; U5.AH8 v1(46,58.9) ; U5.AH1 v1(49.53,62.69) ; 54.51,57.94 v1(54.41,57.84) 54.18,57.61 53.98,57.61 53.17,56.8 v1(53.17,56.39) ; 61.98,48.51 61.84,48.37 61.18,48.37 v1(60.98,48.57) 60.81,48.75 60.41,48.75 60.31,48.84 60.25,48.84 60.06,49.03 U5.C3 ; 65.41,11.95 v1(65.41,11.71) ; 53.63,45.81 53.43,46.02 53.17,46.27 ; 54.5,41.05 54.5,41.26 U5.A18 54.09,41.26 53.9,41.07 53.9,40.43 ; 54.5,41.05 54.51,41.04 ; 54.5,41.05 54.3,41.05 53.17,42.18 U5.C18 ; 68.93,29.42 68.96,29.38 68.97,29.38 v1(69.48,28.87) ; 68.3,34.85 68.35,34.9 68.43,34.9 68.5,34.97 v1(68.5,35.25) ; 67.94,6.69 U11.36 ; U5.M6 53.82,52.25 53.63,52.05 v1(53.63,51.33) ; U5.U10 U5.V9 50.61,53.83 v1(50.87,54.09) v1(51.79,54.09) 51.59,53.89 U5.U8 ; 58.35,44.88 58.31,44.91 58.29,44.91 57.84,45.36 v1(57.76,45.36) ; 66.55,24.26 66.62,24.18 66.62,23.7 66.55,23.62 66.57,23.59 66.57,22.81 66.55,22.78 ; 64.97,40.84 v1(65.22,41.09) 64.97,41.35 ; U5.F9 55.73,48.31 v1(55.47,48.57) ; v1(68.07,40.87) U7.E8 U7.E9 68.73,41.89 68.73,42.09 ; U5.A28 49.69,36.88 49.69,36.72 49.94,36.47 ; 77.65,36.85 U7.T3 ; U5.J27 v1(46.73,41.68) ; v1(54.09,47.19) 54.35,46.94 54.35,46.93 U5.F12 ; 70.66,42.09 70.66,41.89 U7.H9 ; v1(46.73,48.11) 46.32,48.11 45.86,48.57 U5.V20 ; U6.T1 77.3,53.29 ; 73.66,42.09 U7.M9 ; U5.P21 46.22,46.27 45.75,45.8 v1(45.67,45.8) 45.36,45.81 ; 59.88,52.57 59.6,52.29 U5.F1 ; v1(66.1,36.05) v1(65.3,36.05) 64.97,36.05 ; 65.05,39.65 65.05,39.83 64.97,39.9 64.97,40.53 v1(65.3,40.85) 65.1,41.06 65.1,41.2 64.97,41.33 ; 58.62,53.83 v1(58.62,53.75) ; 60.61,51.85 v1(60.6,51.84) ; v1(55.17,41.88) 55.26,41.79 ; 74.9,53.29 U6.N1 ; 55.93,43.52 56.18,43.26 56.73,43.26
  TOP w0.152: 42.6,45.81 U5.U26 v1(43.98,44.44) v1(44.44,43.98) U5.M26 ; U5.Y24 42.6,47.07 42.26,46.73 U5.Y26 41.44,46.97 U5.AA26